# Altium PCB PCB.PcbDoc
Units mm, origin at the board's own origin, x right, y up, seen from the top; angles counter-clockwise.
Board outline 48.51 x 39.24 mm, 2 copper layers (Top Layer, Bottom Layer); 28 components, 10 nets, 387 pads, 0 vias.
Unrouted connection lines stored in the file: 26.
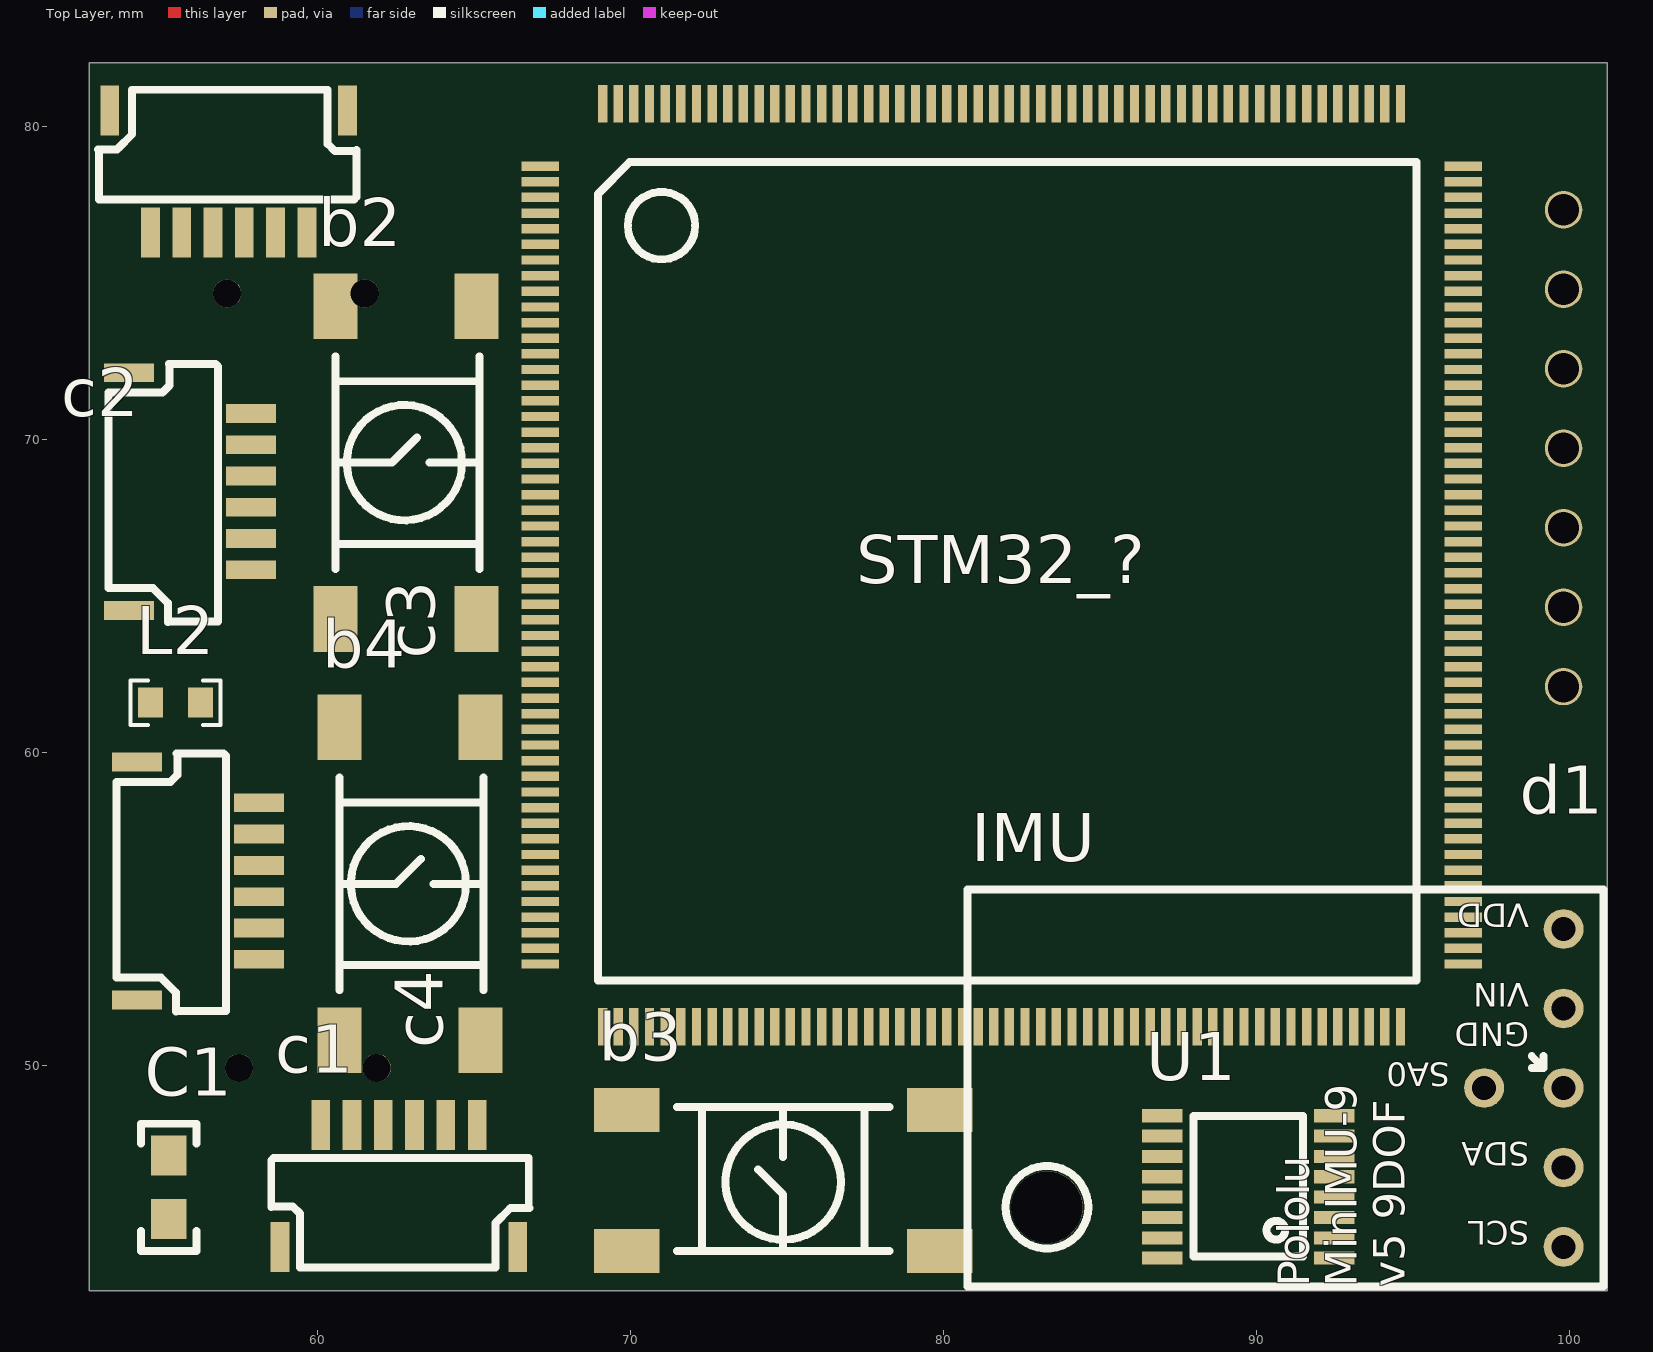
[diagram p0: Top Layer view]
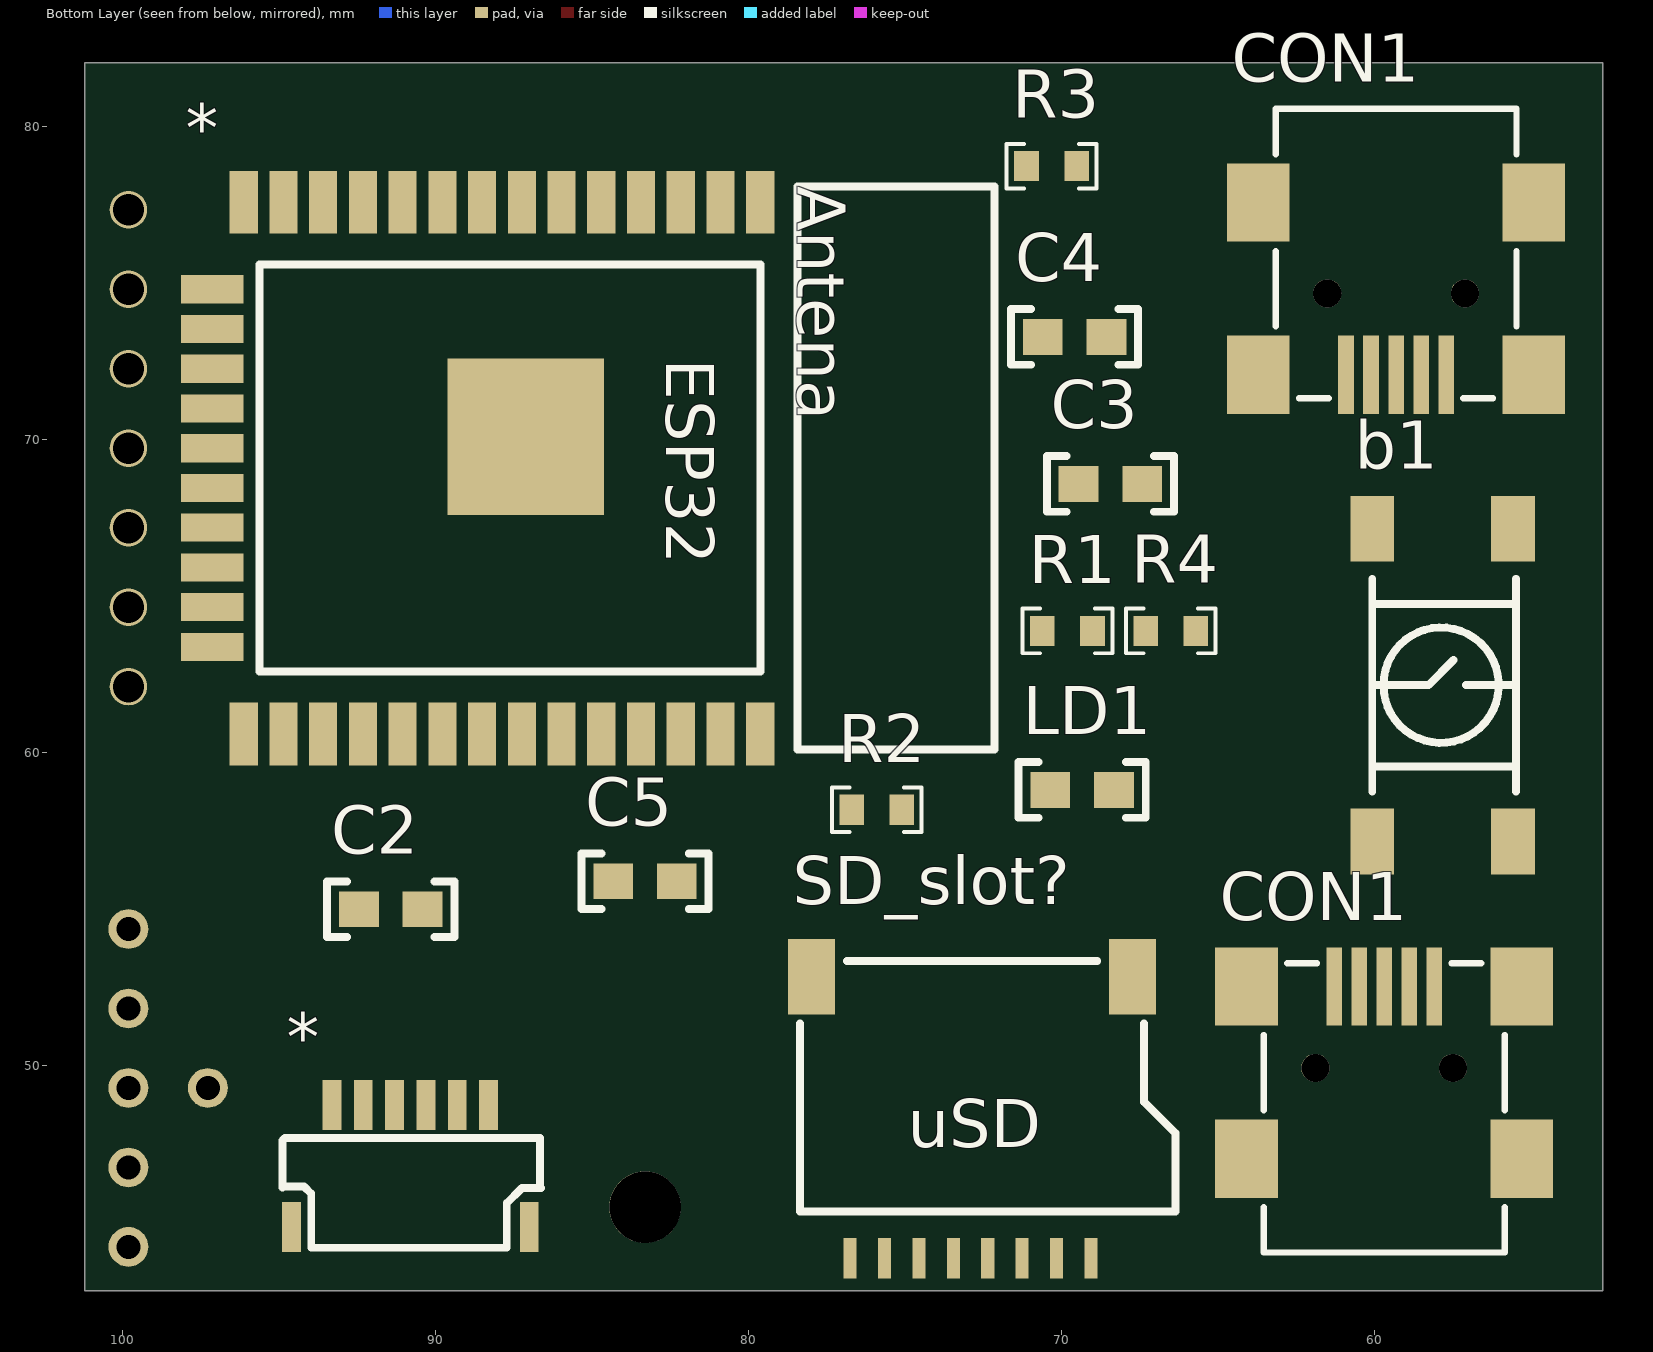
[diagram p1: Bottom Layer view, seen from below]

## Layer stack, top to bottom
Top Solder: solder mask 0.0102, Solder Resist, Dk 3.5
Top Layer: signal copper 0.0356
Dielectric 1: dielectric 0.32, FR-4, Dk 4.8
Bottom Layer: signal copper 0.0356
Bottom Solder: solder mask 0.0102, Solder Resist, Dk 3.5

## Board outline
52.705,42.799 101.219,42.799 101.219,82.042 52.705,82.042

## Design rules (kind name [scope] priority, off if disabled: settings)
Clearance [All] p1: gap=0.254
PolygonConnect [All] p1: connectstyle=Relief reliefconductorwidth=0.254 reliefentries=4 polygonreliefangle="90 Angle" airgapwidth=0.254
RoutingVias [All] p1: holewidth=0.711 width=1.27 viastyle="Through Hole" minholewidth=0.711 minwidth=1.27 maxholewidth=0.711 maxwidth=1.27
SolderMaskExpansion [All] p1: expansion=0.102
Width [All] p1: maxlimit=0.254 minlimit=0.254 preferedwidth=0.254
30 further rules are at their usual default settings.

## Classes and differential pairs
component class Board: * C1 C2 C3 C4 C5 CON1 IMU L2 LD1 R1 R2 R3 R4 SD_slot? STM32_? U1

## Components (designator, comment, footprint, x,y, rotation, side; value= is the part's Value field where it differs from the comment)
* "ESP-WROOM-32" ESP-WROOM-32 96.139,69.088 r270 bottom
* "SERVO_OUT" "JST SR SH 1.0" 94.615,44.831 r180 bottom
b1 "Comment" "LSH Gullwing" 60.071,57.15 r270 bottom
b2 "Comment" "LSH Gullwing" 60.579,64.262 r270 top
b3 "Comment" "LSH Gullwing" 79.883,44.069 r0 top
b4 "Comment" "LSH Gullwing" 60.706,50.8 r270 top
C1 "0u1" 0603 55.245,47.117 r270 top
c1 "Comment" "JST SR SH 1.0" 58.801,44.196 r0 top
C2 "10u" 0603 92.456,54.991 r180 bottom
c2 "Comment" "JST SR SH 1.0" 60.96,80.518 r180 top
C3 "0u1" 0603 69.456,68.58 r180 bottom
c3 "Comment" "JST SR SH 1.0" 53.975,72.136 r270 top
C4 "47p" 0603 70.599,73.279 r180 bottom
c4 "Comment" "JST SR SH 1.0" 54.229,59.69 r270 top
C5 "47p" 0603 84.328,55.88 r180 bottom
CON1 "65100516121" 65100516121 59.69,48.641 r180 bottom
CON1 "65100516121" 65100516121 59.309,75.946 r0 bottom
d1 "Comment" GME12864-14 99.822,77.343 r270 top
IMU "MinIMU-9 v5 9DOF" "MinIMU-9 v5 9DOF - GOLDPINS" 101.092,55.626 r90 top
L2 "1u" R0603 56.261,61.595 r180 top
LD1 "GREEN" 0603 70.358,58.801 r180 bottom
R1 "27" R0603 70.612,63.881 r180 bottom
R2 "27" R0603 76.708,58.166 r180 bottom
R3 "3k3" R0603 71.12,78.74 r180 bottom
R4 "220" R0603 67.31,63.881 r180 bottom
SD_slot? "ATTEND 112K-TAA0-RA1" "ATTEND 112K-TAA0-RA1" 78.359,52.832 r180 bottom
STM32_? "STM32F769BGT6-SELFIE" LQFP208 68.961,80.137 r0 top
U1 "FT230XS" SSOP16 86.995,48.387 r90 top

## Footprints (in the part's own frame and the unit in brackets; to place one, negate y for a bottom-side part, rotate by r counter-clockwise, add the part's x,y. Pads: shape width x height; smd on the part's side, far side on the other; paste and mask are expansions set on the pad)
0603 [mil]
  rect 50x45 smd: 1(0,0) 2(80,0)
  silkscreen extent -40,-35 120,35, body extent 9,-17 72,17, height 33
65100516121 [mm] "Mini USB 2.0 Type B SMT Horizontal 5 Contacts"
  rect 0.5x2.5 smd: 1(-1.6,3.875) 2(-0.8,3.875) 3(0,3.875) 4(0.8,3.875) 5(1.6,3.875)
  round 0.9 hole 0.9 unplated: MH1(-2.2,1.275) MH2(2.2,1.275)
  rect 2x2.5 smd: Shell(-4.4,-1.625) Shell(-4.4,3.875) Shell(4.4,-1.625) Shell(4.4,3.875)
  silkscreen extent -3.85,-4.62 3.85,4.62, body extent -4.8,-4.62 4.8,4.63, height 3.92
"ATTEND 112K-TAA0-RA1" [mm]
  rect 0.42x1.3 smd: 1(9.3,-9) 2(8.2,-9) 3(7.1,-9) 4(6,-9) 5(4.9,-9) 6(3.8,-9) 7(2.7,-9) 8(1.6,-9)
  rect 1.5x2.4 smd: ""(0.37,0) ""(10.63,0)
  silkscreen extent 0,-7.5 12,0.5, body extent 0,-8.96 12.1,1, height 1.49
ESP-WROOM-32 [mm]
  rect 2x0.9 smd: 1(-8.5,16.51) 2(-8.5,15.24) 3(-8.5,13.97) 4(-8.5,12.7) 5(-8.5,11.43) 6(-8.5,10.16) 7(-8.5,8.89) 8(-8.5,7.62) 9(-8.5,6.35) 10(-8.5,5.08) 11(-8.5,3.81) 12(-8.5,2.54) 13(-8.5,1.27) 14(-8.5,0) 25(8.5,0) 26(8.5,1.27) 27(8.5,2.54) 28(8.5,3.81) 29(8.5,5.08) 30(8.5,6.35) 31(8.5,7.62) 32(8.5,8.89) 33(8.5,10.16) 34(8.5,11.43) 35(8.5,12.7) 36(8.5,13.97) 37(8.5,15.24) 38(8.5,16.51)
  rect 0.9x2 smd: 15(-5.715,-1) 16(-4.445,-1) 17(-3.175,-1) 18(-1.905,-1) 19(-0.635,-1) 20(0.635,-1) 21(1.905,-1) 22(3.175,-1) 23(4.445,-1) 24(5.715,-1)
  rect 5x5 smd: ""(-1,9.01)
  silkscreen extent -9,0.51 9,24, body extent -9,-1.5 9,24, height 2.91
GME12864-14 [mm]
  round 1.2 hole 1: 1(0,0) 2(2.54,0) 3(5.08,0) 4(7.62,0) 5(10.16,0) 6(12.7,0) 7(15.24,0)
  body extent -5.5,-25.43 21.2,2.43, height 8.54
"JST SR SH 1.0" [mm]
  rect 0.6x1.6 smd: 1(1.3,3.9) 2(2.3,3.9) 3(3.3,3.9) 4(4.3,3.9) 5(5.3,3.9) 6(6.3,3.9) 7(7.6,0) 8(0,0)
  silkscreen extent -0.28,-0.66 7.98,2.84, body extent -0.16,-0.66 7.84,4.29, height 2.9
LQFP208 [mm]
  rect 1.2x0.3 smd: 1(-1.85,-1.4) 2(-1.85,-1.9) 3(-1.85,-2.4) 4(-1.85,-2.9) 5(-1.85,-3.4) 6(-1.85,-3.9) 7(-1.85,-4.4) 8(-1.85,-4.9) 9(-1.85,-5.4) 10(-1.85,-5.9) 11(-1.85,-6.4) 12(-1.85,-6.9) 13(-1.85,-7.4) 14(-1.85,-7.9) 15(-1.85,-8.4) 16(-1.85,-8.9) 17(-1.85,-9.4) 18(-1.85,-9.9) 19(-1.85,-10.4) 20(-1.85,-10.9) 21(-1.85,-11.4) 22(-1.85,-11.9) 23(-1.85,-12.4) 24(-1.85,-12.9) 25(-1.85,-13.4) 26(-1.85,-13.9) 27(-1.85,-14.4) 28(-1.85,-14.9) 29(-1.85,-15.4) 30(-1.85,-15.9) 31(-1.85,-16.4) 32(-1.85,-16.9) 33(-1.85,-17.4) 34(-1.85,-17.9) 35(-1.85,-18.4) 36(-1.85,-18.9) 37(-1.85,-19.4) 38(-1.85,-19.9) 39(-1.85,-20.4) 40(-1.85,-20.9) 41(-1.85,-21.4) 42(-1.85,-21.9) 43(-1.85,-22.4) 44(-1.85,-22.9) 45(-1.85,-23.4) 46(-1.85,-23.9) 47(-1.85,-24.4) 48(-1.85,-24.9) 49(-1.85,-25.4) 50(-1.85,-25.9) 51(-1.85,-26.4) 52(-1.85,-26.9) 105(27.65,-26.9) 106(27.65,-26.4) 107(27.65,-25.9) 108(27.65,-25.4) 109(27.65,-24.9) 110(27.65,-24.4) 111(27.65,-23.9) 112(27.65,-23.4) 113(27.65,-22.9) 114(27.65,-22.4) 115(27.65,-21.9) 116(27.65,-21.4) 117(27.65,-20.9) 118(27.65,-20.4) 119(27.65,-19.9) 120(27.65,-19.4) 121(27.65,-18.9) 122(27.65,-18.4) 123(27.65,-17.9) 124(27.65,-17.4) 125(27.65,-16.9) 126(27.65,-16.4) 127(27.65,-15.9) 128(27.65,-15.4) 129(27.65,-14.9) 130(27.65,-14.4) 131(27.65,-13.9) 132(27.65,-13.4) 133(27.65,-12.9) 134(27.65,-12.4) 135(27.65,-11.9) 136(27.65,-11.4) 137(27.65,-10.9) 138(27.65,-10.4) 139(27.65,-9.9) 140(27.65,-9.4) 141(27.65,-8.9) 142(27.65,-8.4) 143(27.65,-7.9) 144(27.65,-7.4) 145(27.65,-6.9) 146(27.65,-6.4) 147(27.65,-5.9) 148(27.65,-5.4) 149(27.65,-4.9) 150(27.65,-4.4) 151(27.65,-3.9) 152(27.65,-3.4) 153(27.65,-2.9) 154(27.65,-2.4) 155(27.65,-1.9) 156(27.65,-1.4)
  rect 0.3x1.2 smd: 53(0.15,-28.9) 54(0.65,-28.9) 55(1.15,-28.9) 56(1.65,-28.9) 57(2.15,-28.9) 58(2.65,-28.9) 59(3.15,-28.9) 60(3.65,-28.9) 61(4.15,-28.9) 62(4.65,-28.9) 63(5.15,-28.9) 64(5.65,-28.9) 65(6.15,-28.9) 66(6.65,-28.9) 67(7.15,-28.9) 68(7.65,-28.9) 69(8.15,-28.9) 70(8.65,-28.9) 71(9.15,-28.9) 72(9.65,-28.9) 73(10.15,-28.9) 74(10.65,-28.9) 75(11.15,-28.9) 76(11.65,-28.9) 77(12.15,-28.9) 78(12.65,-28.9) 79(13.15,-28.9) 80(13.65,-28.9) 81(14.15,-28.9) 82(14.65,-28.9) 83(15.15,-28.9) 84(15.65,-28.9) 85(16.15,-28.9) 86(16.65,-28.9) 87(17.15,-28.9) 88(17.65,-28.9) 89(18.15,-28.9) 90(18.65,-28.9) 91(19.15,-28.9) 92(19.65,-28.9) 93(20.15,-28.9) 94(20.65,-28.9) 95(21.15,-28.9) 96(21.65,-28.9) 97(22.15,-28.9) 98(22.65,-28.9) 99(23.15,-28.9) 100(23.65,-28.9) 101(24.15,-28.9) 102(24.65,-28.9) 103(25.15,-28.9) 104(25.65,-28.9) 157(25.65,0.6) 158(25.15,0.6) 159(24.65,0.6) 160(24.15,0.6) 161(23.65,0.6) 162(23.15,0.6) 163(22.65,0.6) 164(22.15,0.6) 165(21.65,0.6) 166(21.15,0.6) 167(20.65,0.6) 168(20.15,0.6) 169(19.65,0.6) 170(19.15,0.6) 171(18.65,0.6) 172(18.15,0.6) 173(17.65,0.6) 174(17.15,0.6) 175(16.65,0.6) 176(16.15,0.6) 177(15.65,0.6) 178(15.15,0.6) 179(14.65,0.6) 180(14.15,0.6) 181(13.65,0.6) 182(13.15,0.6) 183(12.65,0.6) 184(12.15,0.6) 185(11.65,0.6) 186(11.15,0.6) 187(10.65,0.6) 188(10.15,0.6) 189(9.65,0.6) 190(9.15,0.6) 191(8.65,0.6) 192(8.15,0.6) 193(7.65,0.6) 194(7.15,0.6) 195(6.65,0.6) 196(6.15,0.6) 197(5.65,0.6) 198(5.15,0.6) 199(4.65,0.6) 200(4.15,0.6) 201(3.65,0.6) 202(3.15,0.6) 203(2.65,0.6) 204(2.15,0.6) 205(1.65,0.6) 206(1.15,0.6) 207(0.65,0.6) 208(0.15,0.6)
  silkscreen extent 0,-27.43 26.16,-1.27, body extent -1.84,-28.92 27.66,0.58, height 1.39
"LSH Gullwing" [mm]
  rect 2.1x1.4 smd: 1(-10,4.5) 2(0,4.5) 3(-10,0) 4(0,0)
  silkscreen extent -8.4,0 -1.6,4.6, body extent -10,-0.75 0,5.25, height 4.97
"MinIMU-9 v5 9DOF - GOLDPINS" [mil]
  round 50 hole 30: 1(-450,50) 2(-350,50) 3(-250,50) 4(-150,50) 5(-50,50) 6(-250,150)
  round 90 hole 90: 7(-400,700)
  silkscreen extent -500,0 0,800, body extent -500,0 0,800, height 336
R0603 [mil]
  rect 31x38 smd: 1(0,0) 2(63,0)
  silkscreen extent -25,-28 88,28, body extent -1,-17 62,17, height 19
SSOP16 [mm]
  rect 0.42x1.3 smd: 1(-4.55,-5.5) 2(-3.9,-5.5) 3(-3.25,-5.5) 4(-2.6,-5.5) 5(-1.95,-5.5) 6(-1.3,-5.5) 7(-0.65,-5.5) 8(0,-5.5) 9(0,0) 10(-0.65,0) 11(-1.3,0) 12(-1.95,0) 13(-2.6,0) 14(-3.25,0) 15(-3.9,0) 16(-4.55,0)
  silkscreen extent -4.5,-4.5 0,-1, body extent -4.91,-6 0.39,0.46, height 1.65

## Part data
*: library part SPI
C1 C2 C3 C4 C5: library part Cap
CON1 CON1: "Mini USB 2.0 Type B Receptacle WR-COM, Horizontal, SMT, with Pads and Pegs"
L2: library part L
LD1: library part LED
R1 R2 R3 R4: library part Res
U1: library part FT230XS_ON_BOARD

## Nets (pads, with @x,y where several pads share a name; then routed paths per layer and width w, separated by ;. In a path a pad name is that pad's centre, name@x,y a point inside that pad or via, vN(x,y) a via of type N, cw(c..) or ccw(c..) an arc to the next point about the centre after c; other vN are vias at no path point)
GND: C1.1 C2.1 C3.2 C4.2 C5.2 CON1.4@58.89,52.516 CON1.5@58.09,52.516 R3.2 U1.5 U1.13
NetC1_2: C1.2 CON1.1@61.29,52.516 L2.1
NetC2_2: C2.2 L2.2 U1.12
NetC3_1: C3.1 LD1.1 U1.3 U1.10 U1.11
NetC4_1: C4.1 CON1.2@60.49,52.516 R1.2
NetC5_1: C5.1 CON1.3@59.69,52.516 R2.2
NetLD1_2: LD1.2 R4.1
NetR1_1: R1.1 U1.9
NetR2_1: R2.1 U1.8
NetR3_1: R3.1 R4.2 U1.15
pads on no net: *. *.1 *.2 *.3 *.4 *.5 *.6 *.7 *.8 *.9 *.10 *.11 *.12 *.13 *.14 *.15 *.16 *.17 *.18 *.19 *.20 *.21 *.22 *.23 *.24 *.25 *.26 *.27 *.28 *.29 *.30 *.31 *.32 *.33 *.34 *.35 *.36 *.37 *.38 b1.1 b1.2 b1.3 b1.4 b2.1 b2.2 b2.3 b2.4 b3.1 b3.2 b3.3 b3.4 b4.1 b4.2 b4.3 b4.4 c1.1 c1.2 c1.3 c1.4 c1.5 c1.6 c1.7 c1.8 c2.1 c2.2 c2.3 c2.4 c2.5 c2.6 c2.7 c2.8 c3.1 c3.2 c3.3 c3.4 c3.5 c3.6 c3.7 c3.8 c4.1 c4.2 c4.3 c4.4 c4.5 c4.6 c4.7 c4.8 CON1.1@57.709,72.071 CON1.2@58.509,72.071 CON1.3@59.309,72.071 CON1.4@60.109,72.071 CON1.5@60.909,72.071 CON1.MH1 CON1.MH2 CON1.Shell d1.1 d1.2 d1.3 d1.4 d1.5 d1.6 d1.7 IMU.1 IMU.2 IMU.3 IMU.4 IMU.5 IMU.6 IMU.7 SD_slot?. SD_slot?.1 SD_slot?.2 SD_slot?.3 SD_slot?.4 SD_slot?.5 SD_slot?.6 SD_slot?.7 SD_slot?.8 STM32_?.1 STM32_?.2 STM32_?.3 STM32_?.4 STM32_?.5 STM32_?.6 STM32_?.7 STM32_?.8 STM32_?.9 STM32_?.10 STM32_?.11 STM32_?.12 STM32_?.13 STM32_?.14 STM32_?.15 STM32_?.16 STM32_?.17 STM32_?.18 STM32_?.19 STM32_?.20 STM32_?.21 STM32_?.22 STM32_?.23 STM32_?.24 STM32_?.25 STM32_?.26 STM32_?.27 STM32_?.28 STM32_?.29 STM32_?.30 STM32_?.31 STM32_?.32 STM32_?.33 STM32_?.34 STM32_?.35 STM32_?.36 STM32_?.37 STM32_?.38 STM32_?.39 STM32_?.40 STM32_?.41 STM32_?.42 STM32_?.43 STM32_?.44 STM32_?.45 STM32_?.46 STM32_?.47 STM32_?.48 STM32_?.49 STM32_?.50 STM32_?.51 STM32_?.52 STM32_?.53 STM32_?.54 STM32_?.55 STM32_?.56 STM32_?.57 STM32_?.58 STM32_?.59 STM32_?.60 STM32_?.61 STM32_?.62 STM32_?.63 STM32_?.64 STM32_?.65 STM32_?.66 STM32_?.67 STM32_?.68 STM32_?.69 STM32_?.70 STM32_?.71 STM32_?.72 STM32_?.73 STM32_?.74 STM32_?.75 STM32_?.76 STM32_?.77 STM32_?.78 STM32_?.79 STM32_?.80 STM32_?.81 STM32_?.82 STM32_?.83 STM32_?.84 STM32_?.85 STM32_?.86 STM32_?.87 STM32_?.88 STM32_?.89 STM32_?.90 STM32_?.91 STM32_?.92 STM32_?.93 STM32_?.94 STM32_?.95 STM32_?.96 STM32_?.97 STM32_?.98 STM32_?.99 STM32_?.100 STM32_?.101 STM32_?.102 STM32_?.103 STM32_?.104 STM32_?.105 STM32_?.106 STM32_?.107 STM32_?.108 STM32_?.109 STM32_?.110 STM32_?.111 STM32_?.112 STM32_?.113 STM32_?.114 STM32_?.115 STM32_?.116 STM32_?.117 STM32_?.118 STM32_?.119 STM32_?.120 STM32_?.121 STM32_?.122 STM32_?.123 STM32_?.124 STM32_?.125 STM32_?.126 STM32_?.127 STM32_?.128 STM32_?.129 STM32_?.130 STM32_?.131 STM32_?.132 STM32_?.133 STM32_?.134 STM32_?.135 STM32_?.136 STM32_?.137 STM32_?.138 STM32_?.139 STM32_?.140 STM32_?.141 STM32_?.142 STM32_?.143 STM32_?.144 STM32_?.145 STM32_?.146 STM32_?.147 STM32_?.148 STM32_?.149 STM32_?.150 STM32_?.151 STM32_?.152 STM32_?.153 STM32_?.154 STM32_?.155 STM32_?.156 STM32_?.157 STM32_?.158 STM32_?.159 STM32_?.160 STM32_?.161 STM32_?.162 STM32_?.163 STM32_?.164 STM32_?.165 STM32_?.166 STM32_?.167 STM32_?.168 STM32_?.169 STM32_?.170 STM32_?.171 STM32_?.172 STM32_?.173 STM32_?.174 STM32_?.175 STM32_?.176 STM32_?.177 STM32_?.178 STM32_?.179 STM32_?.180 STM32_?.181 STM32_?.182 STM32_?.183 STM32_?.184 STM32_?.185 STM32_?.186 STM32_?.187 STM32_?.188 STM32_?.189 STM32_?.190 STM32_?.191 STM32_?.192 STM32_?.193 STM32_?.194 STM32_?.195 STM32_?.196 STM32_?.197 STM32_?.198 STM32_?.199 STM32_?.200 STM32_?.201 STM32_?.202 STM32_?.203 STM32_?.204 STM32_?.205 STM32_?.206 STM32_?.207 STM32_?.208 U1.1 U1.2 U1.4 U1.6 U1.7 U1.14 U1.16

## Text inside footprints (layer, text, board x,y; h text height)
*: Bottom Overlay "ESP32" at 82.629,72.588 h1.52 r90; Bottom Overlay "Antena" at 78.439,78.088 h1.52 r90
IMU: Top Overlay "Pololu  / MinIMU-9  / v5 9DOF" at 94.742,42.926 h1.02 r90; Top Overlay "SCL" at 98.73,45.009 h0.76 r180; Top Overlay "SDA" at 98.73,47.549 h0.76 r180; Top Overlay "GND" at 98.73,51.359 h0.76 r180; Top Overlay "VIN" at 98.73,52.629 h0.76 r180; Top Overlay "VDD" at 98.73,55.169 h0.76 r180; Top Overlay "SA0" at 96.19,50.089 h0.76 r180
SD_slot?: Bottom Overlay "uSD" at 74.909,47.382 h1.52